# Altium PCB cheriot-test.PcbDoc (part 11 of 12)
Units mil, origin at the board's own origin, x right, y up, seen from the top; angles counter-clockwise.
Board outline 6629.92 x 3149.61 mil, 8 copper layers (Top Layer, Int1 (Sign), Int2 (GND), Int3 (Sign), Int4 (Sign), Int5 (PWR), Int6 (Sign), Bottom Layer), stack 60.424 mil thick; 496 components, 639 nets, 2898 pads, 1737 vias.
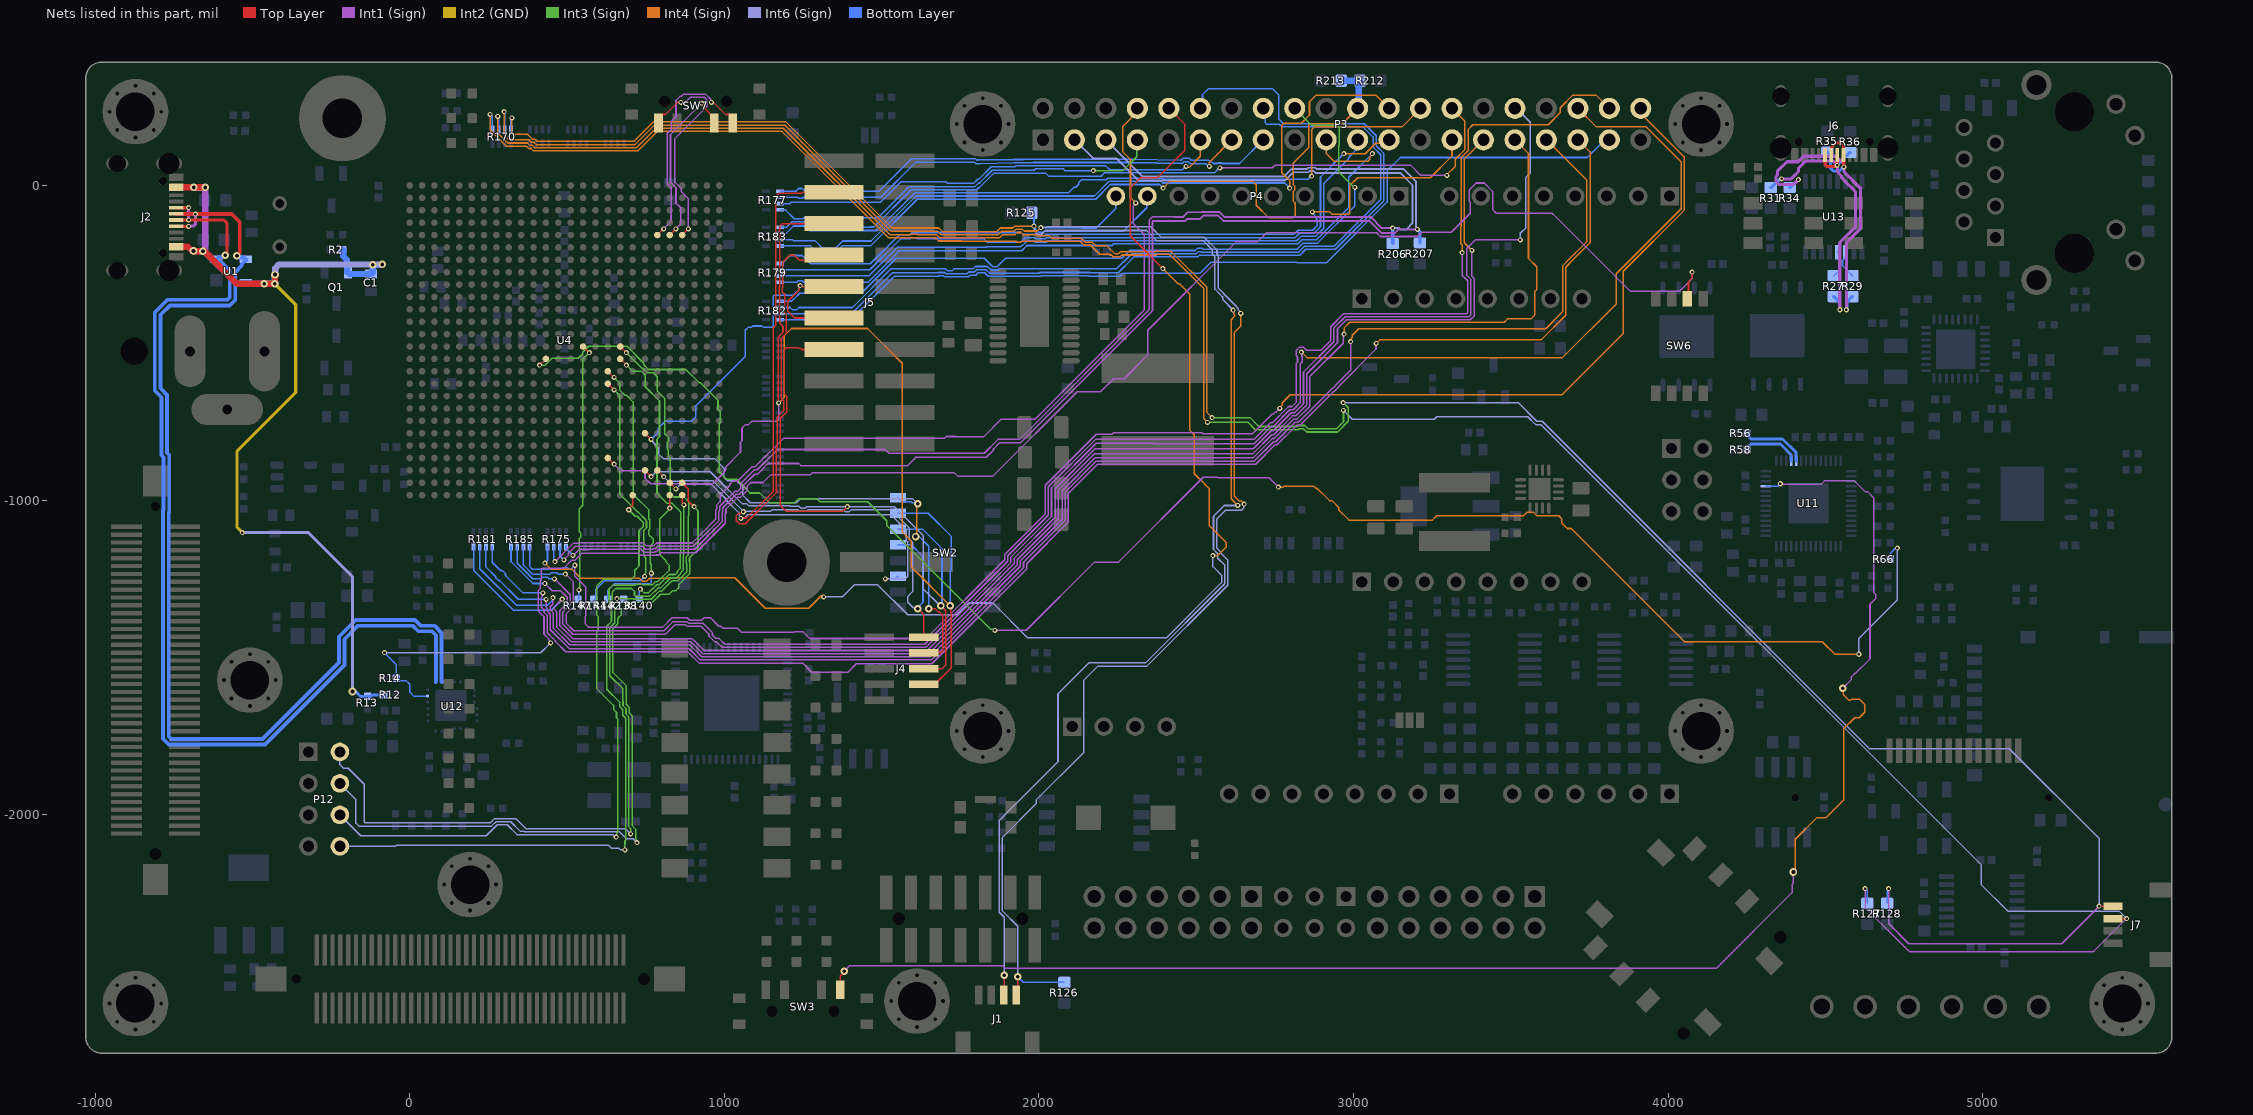
[diagram p17: the nets of this part, all layers, seen from the top]

## Via types
v1: diameter 16, hole 8, Top Layer to Bottom Layer, tented both sides, 1442 vias
v2: diameter 24, hole 12, Top Layer to Bottom Layer, tented both sides, 257 vias
v3: diameter 23.62, hole 11.81, Top Layer to Bottom Layer, tented both sides, 16 vias
v4: diameter 45, hole 20, Top Layer to Bottom Layer, 14 vias
v5: diameter 19.68, hole 8, Top Layer to Bottom Layer, 8 vias

## Nets (pads, with @x,y where several pads share a name; then routed paths per layer and width w, separated by ;. In a path a pad name is that pad's centre, name@x,y a point inside that pad or via, vN(x,y) a via of type N, cw(c..) or ccw(c..) an arc to the next point about the centre after c; other vN are vias at no path point) (continued)
RP2040_SW2: SW3.4 U11.39 | length 5034.7
  Top Layer w5: SW3.4@1368.27,-2555.63 1368.27,-2512.27 1381.05,-2499.49 v2(1381.05,-2497.48)
  Int1 (Sign) w5: v2(1381.05,-2497.48) 1398.16,-2480.37 1884.8,-2480.37 1892.92,-2488.5 4152.5,-2488.5 4393.87,-2247.13 4393.87,-2222 4398,-2217.87 4398,-2186 v2@4397,-2185 ; v1(4357,-948) 4359.06,-950.06 4485.8,-950.06 4496.94,-938.92 4591.92,-938.92 4625.93,-972.93 4633.22,-972.93 4653.28,-993 4653.28,-1293.6 4659.68,-1299.99 4659.68,-1312.83 4641.48,-1331.03 4641.48,-1504.63 4595.61,-1550.5 4593.92,-1550.5 4582.5,-1561.92 4582.5,-1570.5 v2(4555,-1598)
  Int4 (Sign) w5: v2(4398,-2182) 4401.07,-2182 4404,-2179.07 4404,-2078.1 4472.96,-2009.13 4502.4,-2009.13 4558.45,-1953.08 4558.45,-1726.12 4593.08,-1691.5 4607.22,-1691.5 4624.5,-1674.22 4624.5,-1649.78 4607.22,-1632.5 4582.78,-1632.5 4579.28,-1636 4575.14,-1636 4556.64,-1617.5 4556.64,-1599.64 v2(4555,-1598)
  Bottom Layer w5: U11.39@4310.16,-955.44 4349.56,-955.44 v1(4357,-948)
RP2040_TX: R66.1 U4.R15 | length 5682.9
  Top Layer w5: v1(413.39,-570.87) U4.R15@433.07,-551.18
  Int1 (Sign) w5: v1(1860,-1414) 1960,-1414 2177,-1197 2253,-1197 2522.71,-927.29 2567.29,-927.29 2569,-929 2731.5,-929 v1@2760.5,-958
  Int3 (Sign) w5: v1(413.39,-570.87) 430.84,-570.87 452.55,-549.15 535.76,-549.15 550.1,-534.81 550.1,-530.34 569.44,-511 690.4,-511 744,-564.6 744,-570 758.74,-584.74 877.78,-584.74 919.32,-626.28 923.79,-626.28 980.07,-682.56 980.07,-710.85 987,-717.78 987,-753.06 984,-756.06 984,-910.11 1007.18,-933.29 1039.29,-933.29 1069.79,-963.79 1069.79,-965.67 1081.58,-977.46 1113.18,-977.46 1143.66,-1007.94 1223.98,-1007.94 1236.92,-995 1294,-995 1304,-1005 1456,-1005 1516.61,-1065.61 1516.61,-1080.47 1847.14,-1411 1857.07,-1411 1860,-1413.93 v1(1860,-1414)
  Int4 (Sign) w5: v1(2761,-958.5) 2776.5,-958.5 2779,-956 2874.12,-956 2881.08,-962.96 2884.88,-962.96 2923.42,-1001.5 2931.7,-1001.5 2952.5,-1022.3 2952.5,-1030.58 2985.39,-1063.46 3250.96,-1063.46 3264.5,-1049.92 3540.08,-1049.92 3550.85,-1039.15 3571.98,-1039.15 3582.76,-1049.92 3651.84,-1049.92 3661.84,-1059.92 3661.84,-1072.93 3679.12,-1090.21 3692.13,-1090.21 4051.84,-1449.92 4490.13,-1449.92 4530.13,-1489.92 v1(4605.98,-1489.92)
  Int6 (Sign) w5: v1(4605.98,-1489.92) 4605.98,-1439.92 4728.2,-1317.71 v1(4728.2,-1152.79)
  Bottom Layer w5: R66.1@4705.67,-1187.6 4705.67,-1169.76 4720.53,-1154.89 4726.09,-1154.89 v1(4728.2,-1152.79)
RP_N: R58.2 U11.46 | length 183.9
  Bottom Layer w10: R58.2@4250.98,-839.92 4257.8,-833.11 4257.8,-827.62 4263.65,-821.76 4356.96,-821.76 4390.61,-855.41 4390.61,-874.73 U11.46@4390.87,-874.73
RP_P: R56.2 U11.47 | length 210.4
  Bottom Layer w10: R56.2@4250.67,-787.6 4257.48,-794.42 4257.48,-799.9 4263.34,-805.76 4363.59,-805.76 4406.61,-848.79 U11.47@4406.61,-874.73
RPH_G0: P3.27 R179.4B | length 2465.2
  Int4 (Sign) w5: v1(2869,-84) 2925.02,-84 2932.52,-91.5 2985.57,-91.5 2988.5,-88.57 2988.5,0.42 3013.08,25 3244,25 3312.99,93.99 P3.27@3312.99,145.2
  Bottom Layer w5: R179.4B@1177.4,-248.07 1184.29,-248.07 1191.54,-240.82 1191.54,-240.55 1209.59,-222.5 1245.42,-222.5 1245.69,-222.77 1247.77,-222.77 1274,-249 1464,-249 1556.54,-156.46 1590.48,-156.46 1597.44,-149.5 1943.42,-149.5 1949.42,-155.5 1991.44,-155.5 1995.44,-159.5 2016.56,-159.5 2020.56,-155.5 2810.89,-155.5 2824.53,-141.86 2870.43,-141.86 2885.03,-127.26 2885.03,-109.03 2877.23,-101.23 2877.23,-95.2 2869,-86.98 v1(2869,-84)
RPH_G1: P3.28 R183.4B | length 2490.2
  Int1 (Sign) w5: v1(2575,56) 2742,56 2751,65 3181,65 3214,32 3295,32 v1@3296,31
  Int4 (Sign) w5: v1@3295.73,33.27 3322.99,60.53 3322.99,83.48 3353.96,114.45 3353.96,204.23 P3.28@3312.99,245.2
  Bottom Layer w5: R183.4B@1177.4,-133.07 1197.93,-133.07 1215.5,-115.5 1262.5,-115.5 1280,-133 1286,-133 ; 1286,-133.07 1465,-133.07 ; 1465,-132 1475.7,-132 1594.2,-13.5 1800.75,-13.5 1804.86,-9.38 cw(c1808.4,-12.92) 1808.34,-7.92 1809.7,-7.92 1856,38.38 2022.31,38.38 2030.69,30 2199,30 ; 2199,31 2208,40 2557,40 2574.63,57.63 2575,57.25 v1(2575,56)
  other v1: 3297,32
RPH_G2_SDA: P3.3 R175.3B R206.1 | length 4785.9
  Int1 (Sign) w5: v1(490,-1190) 503.59,-1176.41 503.59,-1169.56 512.67,-1160.48 513.71,-1160.48 527.2,-1147 566,-1147 566.8,-1146.2 739.14,-1146.2 748.44,-1155.5 774.3,-1155.5 775.3,-1154.5 780.64,-1154.5 788.94,-1146.2 901.66,-1146.2 983,-1064.86 983,-1035.37 985.5,-1032.87 985.5,-1019.79 1033.66,-971.63 1034.74,-971.63 1034.87,-971.5 1043.21,-971.5 1052.5,-962.21 1052.5,-947.26 1096.36,-903.4 1105.11,-903.4 1169.51,-839 1511.5,-839 1523.5,-851 1826,-851 1870,-807 1938,-807 2350.5,-394.5 2350.5,-109.5 2360,-100 2432.61,-100
  Int1 (Sign) w6: 2432.61,-100 2458.37,-100 2473.37,-85 2518.15,-85 2519.15,-84 2573.68,-84 2589.68,-100 2643,-100 2643.5,-100.5 ; 2644,-100 3054.08,-100 3089.6,-135.51 v1(3124.41,-135.51)
  Int6 (Sign) w6: P3.3@2112.99,145.2 2172.19,86 2246,86 2316,16 2783,16 2809,42 2856.87,42 2860.37,45.5 2873.63,45.5 2879.13,40 3148,40 3188,0 3188,-119 3167,-140 3149.3,-140 3144.81,-135.51 3126.49,-135.51 v1@3125,-137
  Bottom Layer w6: R175.3B@477.44,-1147.13 477.44,-1177.44 v1(490,-1190)
  Bottom Layer w10: R206.1@3124.41,-184.72 v1(3124.41,-135.51)
RPH_G3_SCL: P3.5 R175.4B R207.1 | length 4674.2
  Int1 (Sign) w5: v1(519.09,-1175.98) 520.13,-1175.98 539.12,-1157 570.14,-1157 570.94,-1156.2 735,-1156.2 744.3,-1165.5 778.44,-1165.5 779.44,-1164.5 784.78,-1164.5 793.08,-1156.2 905.8,-1156.2 993,-1069 993,-1039.51 995.5,-1037.01 995.5,-1023.93 1037.93,-981.5 1047.35,-981.5 1062.5,-966.35 1062.5,-951.4 1096.45,-917.45 1105.2,-917.45 1139.15,-883.5 1236.83,-883.5 1243.58,-890.25 1582.83,-890.25 1605.04,-868.04 ; 1605,-868 1608.88,-864.12 1832.8,-864.12 1855.57,-841.36 1855.57,-837.15 1873.14,-819.57 1874.43,-819.57 1877,-817 1942,-817 ; 1942.07,-817.07 2361,-398.14 2361,-113.85 2362.42,-112.42
  Int1 (Sign) w6: 2362.42,-112.42 2464.41,-112.42 2470.79,-106.04 2512.96,-106.04 2524,-95 2569.13,-95 2587.13,-113 3051.53,-113 3090.04,-151.51 3131.04,-151.51 3143.1,-139.45 v1(3203.15,-139.45)
  Int6 (Sign) w6: P3.5@2212.99,145.2 2330.19,28 2778,28 2803,53 2852.32,53 2855.82,56.5 2878.18,56.5 2881.68,53 3158,53 3199,12 3199,-132.59 3201.24,-134.83 v1@3201.24,-135.76
  Bottom Layer w6: R175.4B@497.13,-1147.13 497.13,-1154.02 v1(519.09,-1175.98)
  Bottom Layer w10: v1(3203.15,-139.45) 3211.02,-147.32 R207.1@3211.02,-182.76
RPH_G4: P3.7 R177.1B | length 1270.3
  Int3 (Sign) w5: v1(2173,47.5) 2267.5,47.5 2311,91 P3.7@2311,130
  Bottom Layer w5: R177.1B@1177.4,-77.13 1178.04,-77.77 1194.77,-77.77 1222.5,-105.5 1250.19,-105.5 1253.19,-102.5 1488.5,-102.5 1587.5,-3.5 1796.6,-3.5 1808.09,7.99 1811.23,7.99 1851.62,48.38 1985.38,48.38 1990,53 ; 1990.03,53 2077.27,53 2082.77,47.5 v1(2173,47.5)
RPH_G5: P3.29 R181.1B | length 4673.2
  Int1 (Sign) w5: v1(485,-1315) 458.36,-1341.64 458.36,-1345.79 467,-1354.43 467,-1403 514,-1450 893.24,-1450 900.44,-1457.2 901.44,-1457.2 932.24,-1488 1649.43,-1488 1931,-1206.43 1931,-1189.43 2061.57,-1058.86 2061.57,-968 2177.57,-852 2680.43,-852 2740.17,-792.26 2746.17,-792.26 2805.91,-732.52 2816.47,-732.52 2851,-697.99 2851,-598 2949,-500 2949,-455.43 2977.43,-427 3371.3,-427 3383.01,-415.28 3383.01,-294.53 3376,-287.52 v1(3376,-206)
  Int4 (Sign) w5: v1@3379,-207 3377,-207 v1(3376,-206) 3351.75,-181.75 3351.75,83.96 P3.29@3412.99,145.2
  Bottom Layer w5: R181.1B@203.07,-1147.13 203.07,-1223.07 330,-1350 450,-1350 v1(485,-1315)
RPH_G6: P3.31 R181.2B | length 4811.2
  Int1 (Sign) w5: v1(455,-1310) 455,-1330.86 447,-1338.86 447,-1348.57 457,-1358.57 457,-1407.86 509.14,-1460 889.1,-1460 896.3,-1467.2 897.3,-1467.2 928.1,-1498 1653.57,-1498 1941,-1210.57 1941,-1193.57 2073.84,-1060.73 2073.84,-969.87 2177.71,-866 2680.57,-866 2742.32,-804.26 2748.32,-804.26 2810.06,-742.52 2820.62,-742.52 2861,-702.13 2861,-607 2967,-501 2967,-478.43 2967.9,-477.53 2967.9,-475.9 v1@2967,-475 ; v1@2967,-472.45 v1(2970,-472.45)
  Int4 (Sign) w5: v1(2970,-472.45) 2970,-453 2988,-435 3403.27,-435 3403.64,-434.64 3403.68,-434.68 3478.68,-434.68 3489.36,-424 3564,-424 3576,-412 3576,-336.92 3582.5,-330.42 3582.5,-258.5 3556,-232 3556,101.78 3512.99,144.78 P3.31@3512.99,145.2
  Bottom Layer w5: R181.2B@222.76,-1147.13 222.76,-1217.76 339.5,-1334.5 438.08,-1334.5 455,-1317.58 v1(455,-1310)
RPH_G7_SPI0_CE1: P3.26 R183.3B | length 2304.8
  Int4 (Sign) w5: v1(2867,29.5) 2867.66,30.16 2867.66,178.6 2875.22,186.16 3153.96,186.16 P3.26@3212.99,245.2
  Bottom Layer w5: R183.3B@1177.4,-152.76 1196,-152.76 1220,-128.76 1256.76,-128.76 1270,-142 ; 1270,-143.07 1485.64,-143.07 1605.22,-23.5 2093.5,-23.5 2111.5,-5.5 2117.42,-5.5 2126.5,3.58 2126.5,9.5 2135.5,18.5 2214.22,18.5 2218.81,23.09 2393.19,23.09 2396.28,20 2854.58,20 2864.08,29.5 v1(2867,29.5)
RPH_G8_SPI0_CE0: P3.24 R183.2B | length 2363.3
  Int4 (Sign) w5: v1@2796,-11 2797.7,-9.3 2797.7,14.82 2772.03,40.49 2772.03,191.02 2779.22,198.21 2834.06,198.21 2859.98,224.13 2859.98,266.16 2879.98,286.16 3072.03,286.16 P3.24@3112.99,245.2
  Bottom Layer w5: R183.2B@1177.4,-172.44 1216.23,-172.44 1218.97,-175.19 1288.06,-175.19 1312.83,-199.96 1352.96,-199.96 1376.39,-176.53 1466.33,-176.53 1609.36,-33.5 2176.36,-33.5 2222.95,13.09 2388.05,13.09 2391.14,10 2392.14,10 2394.14,8 2781,8 v1(2797,-8)
RPH_G9_SPI0_CIPO: P3.21 R179.2B | length 2109.3
  Bottom Layer w5: R179.2B@1177.4,-287.44 1459.5,-287.44 1550.44,-196.5 1832.27,-196.5 1833.65,-195.12 1940.6,-195.12 1945.22,-190.5 1947.56,-190.5 1962.56,-175.5 1983.15,-175.5 1987.15,-179.5 2024.85,-179.5 2028.85,-175.5 2819.17,-175.5 2832.82,-161.86 2878.72,-161.86 2905.03,-135.54 2905.03,6.03 2985,86 2985,90 P3.21@3007.85,112.85 ; P3.21@3007.7,113 3007.7,125.7 P3.21@3016,134
RPH_G10_SPI0_COPI: P3.19 R179.1B | length 2315.4
  Int4 (Sign) w5: P3.19@2914,131 2912.99,129.99 2912.99,102.01 2938,77 3046,77 3050.82,81.82 3050.82,89.35 3060,98.52 v1(3060,101.5)
  Bottom Layer w5: R179.1B@1177.4,-307.13 1229.95,-307.13 1234.58,-302.5 1247.42,-302.5 1252.05,-307.13 1456.79,-307.13 1549.46,-214.46 ; 1549,-214 1555.88,-207.12 1945.57,-207.12 1961.96,-190.73 2232.72,-190.73 2237.95,-185.5 2823.32,-185.5 2836.96,-171.86 2882.86,-171.86 2985,-69.72 2985,26.5 v1(3060,101.5)
RPH_G11_SPI0_SCLK: P3.23 R179.3B | length 2202.8
  Int4 (Sign) w5: v1(2969,101) 3037.58,101 3070.61,134.03 3101.03,134.03 P3.23@3104,137
  Bottom Layer w5: R179.3B@1177.4,-267.76 1462.21,-267.76 1561.51,-168.46 1592.62,-168.46 1595.58,-165.5 1608.42,-165.5 1611.38,-168.46 1823.96,-168.46 1836,-180.5 1943.42,-180.5 1958.42,-165.5 1987.3,-165.5 1991.3,-169.5 2020.7,-169.5 2024.7,-165.5 2815.03,-165.5 2828.67,-151.86 2874.57,-151.86 2895.03,-131.4 2895.03,27.03 v1(2969,101)
RPH_G12: P3.32 R185.1B | length 4749.7
  Int1 (Sign) w5: v1(430,-1265) 452.84,-1287.84 479.76,-1287.84 500.5,-1308.58 500.5,-1327.36 477,-1350.86 477,-1398.86 518.14,-1440 897.38,-1440 904.58,-1447.2 905.58,-1447.2 936.38,-1478 1645.29,-1478 1921,-1202.29 1921,-1185.29 2051.57,-1054.72 2051.57,-963.86 2178.43,-837 2681.29,-837 2738.53,-779.76 2744.53,-779.76 2801.77,-722.52 2812.33,-722.52 2841,-693.85 2841,-593 2937.27,-496.73 2937.27,-453.02 2973.28,-417 3367.15,-417 3373.01,-411.14 3373.01,-298.68 3360.5,-286.16 3360.5,-199.58 3387.08,-173 v1(3530,-173)
  Int6 (Sign) w5: P3.32@3516,255 3516,247 3562,201 3562,40.5 3547,25.5 3547,-135 3530,-152 v1(3530,-173)
  Bottom Layer w5: R185.1B@322.13,-1147.13 322.13,-1195.41 391.72,-1265 v1(430,-1265)
RPH_G13: P3.33 R181.3B | length 4876.4
  Int1 (Sign) w5: v1(433.5,-1315.79) 433.5,-1340.07 437,-1343.57 437,-1352.72 447,-1362.72 447,-1412 507,-1472 886.96,-1472 892.15,-1477.2 893.15,-1477.2 923.96,-1508 1657.72,-1508 1951,-1214.72 1951,-1197.72 2083.84,-1064.87 2083.84,-974.01 2181.85,-876 2684.72,-876 2746.46,-814.26 2752.46,-814.26 2814.2,-752.52 2824.76,-752.52 2932.77,-644.5 2934.42,-644.5 2943.5,-635.42 2943.5,-633.77 2991,-586.27 v1(2991,-496)
  Int4 (Sign) w5: v1(2991,-496) 2993.1,-493.9 2993.1,-485.41 2995.5,-483.01 2995.5,-475.77 3016.27,-455 3611,-455 3664.5,-401.5 3664.5,-255.5 3677,-243 ; P3.33@3612.99,145.2 3741.75,16.44 3741.75,-177.65 3676.7,-242.7
  Bottom Layer w5: R181.3B@242.44,-1147.13 242.44,-1212.44 273.5,-1243.5 273.5,-1246.42 282.58,-1255.5 285.5,-1255.5 345,-1315 432.71,-1315 v1(433.5,-1315.79)
RPH_G16_CE2: P3.36 R185.2B | length 5338.5
  Int1 (Sign) w5: v1(460,-1250) 510.5,-1300.5 510.5,-1331.5 487,-1355 487,-1394.72 518.28,-1426 813,-1426 843,-1396 876.37,-1396 881.87,-1401.5 926.5,-1401.5 951.5,-1426.5 951.5,-1432.22 968.78,-1449.5 974.5,-1449.5 993,-1468 1641.15,-1468 1911,-1198.15 1911,-1181.15 2039.93,-1052.22 2039.93,-961.36 2182.28,-819 2363.5,-819 2364.93,-820.43 2683.72,-820.43 2737.67,-766.47 2743.67,-766.47 2797.63,-712.52 2808.19,-712.52 2831,-689.71 2831,-566.25 2837,-560.25 2837,-544.98 2836.1,-544.08 2836.1,-531.1 v1(2834.51,-529.51)
  Int4 (Sign) w5: v1(2834.51,-529.51) 2852,-547 3664,-547 3834.72,-376.28 3834.72,-280.55 4041.75,-73.52 4041.75,74.37 3929.96,186.16 3772.03,186.16 P3.36@3712.99,245.2
  Bottom Layer w5: R185.2B@341.81,-1147.13 341.81,-1200.95 390.86,-1250 417.42,-1250 421.92,-1245.5 438.08,-1245.5 442.58,-1250 v1(460,-1250)
RPH_G17_SPI1_CE1: P3.11 R177.2B | length 1463.2
  Int4 (Sign) w5: v1(2468,60.5) 2470.1,58.4 2478.08,58.4 ; 2479,59 2512.99,92.99 P3.11@2512.99,145.2
  Bottom Layer w5: R177.2B@1177.4,-57.44 1208.75,-57.44 1212.67,-53.52 1496.48,-53.52 1562,12 1705.04,12 1710.54,6.5 1792.46,6.5 1803.95,17.99 cw(c1807.49,14.45) 1805.62,19.09 ; 1805.64,19.1 1809.88,20.78 1848.6,59.5 1924.04,59.5 1927.2,62.66 1983.66,62.66 1984,63 ; 1985.88,63 2213,63 ; 2213,62 2225,50 2456.58,50 2467.08,60.5 v1(2468,60.5)
RPH_G18_SPI1_CE0: P3.12 R182.2B | length 2999.5
  Bottom Layer w5: R182.2B@1177.4,-407.44 1404.55,-407.44 1534.99,-277 1678.94,-277 1679.44,-276.5 1700.78,-276.5 1704.78,-280.5 1771.3,-280.5 1776.8,-275 1794.8,-275 1802.3,-267.5 1831.7,-267.5 1842.7,-278.5 2000.7,-278.5 2002.7,-276.5 2160.7,-276.5 2161.2,-277 2251.94,-277 2293.97,-234.97 2302.44,-226.5 2504.58,-226.5 2508.93,-222.15 2829.09,-222.15 2848.19,-203.05 2942.12,-203.05 3096.5,-48.67 3096.5,102 3072.03,126.47 3072.03,158.24 3034.1,196.16 2776.84,196.16 2762,211 2762,288 2743,307 2538,307 2520,289 2520,259 P3.12@2516,255
RPH_G19_SPI1_CIPO: P3.35 R181.4B | length 4833.4
  Int1 (Sign) w5: v1(423.5,-1295) 421.4,-1297.1 421.4,-1305.98 418,-1309.37 418,-1338.72 427,-1347.72 427,-1356.86 437,-1366.86 437,-1421.8 453.7,-1438.5 454.42,-1438.5 463.5,-1447.58 463.5,-1449.5 496,-1482 882.81,-1482 888.01,-1487.2 889.01,-1487.2 919.81,-1518 1249.2,-1518 1278.2,-1547 1392.92,-1547 1419.42,-1520.5 1659.36,-1520.5 1961,-1218.86 1961,-1201.86 2093.84,-1069.01 2093.84,-978.15 2185.99,-886 2688.86,-886 2750.6,-824.26 2756.6,-824.26 2818.34,-762.52 2828.9,-762.52 2936.92,-654.5 2938.56,-654.5 2953.5,-639.56 2953.5,-637.92 3071.5,-519.92 v1(3071.5,-501.5)
  Int4 (Sign) w5: v1(3071.5,-501.5) 3073.33,-501.5 3085.14,-489.68 3597.32,-489.68 3674.5,-412.5 3674.5,-259.64 3687,-247.14 3687,-246.54 3751.75,-181.79 3751.75,106.44 P3.35@3712.99,145.2
  Bottom Layer w5: R181.4B@262.13,-1147.13 262.13,-1197.13 289.5,-1224.5 295.42,-1224.5 304.5,-1233.58 304.5,-1239.5 360,-1295 v1(423.5,-1295)
RPH_G20_SPI1_COPI: P3.38 R185.3B | length 5059.8
  Int1 (Sign) w5: v1(495,-1235) 520.5,-1260.5 520.5,-1338.5 497,-1362 497,-1390.57 521.43,-1415 808,-1415 837,-1386 880.51,-1386 886.01,-1391.5 931.99,-1391.5 961.5,-1421.01 961.5,-1428.08 972.92,-1439.5 983.5,-1439.5 1002,-1458 1637.01,-1458 1901,-1194.01 1901,-1177.01 2029.93,-1048.08 2029.93,-957.21 2180.14,-807 2683.01,-807 2735.25,-754.76 2741.25,-754.76 2793.49,-702.52 2804.05,-702.52 2818.5,-688.06 2818.5,-564.61 2821.98,-561.13 2821.98,-544.98 2818.5,-541.5 2818.5,-523.6 2828.6,-513.5 2840.42,-513.5 2850.5,-523.58 2896.28,-523.58 2927.27,-492.59 2927.27,-448.88 2969.14,-407 3360.08,-407 3363.01,-404.07 3363.01,-303.01 3345,-285 v1(3345,-213)
  Int4 (Sign) w5: 3341,-131 3341,-185.14 3345,-189.14 v1(3345,-213) ; 3341.75,-131 3341.75,88.1 3363.96,110.3 3363.96,177.96 3378.87,192.87 3618.6,192.87 3657.38,231.65 3657.38,247.52 3696.02,286.16 3772.03,286.16 P3.38@3812.99,245.2
  Bottom Layer w5: R185.3B@361.5,-1147.13 361.5,-1206.5 390,-1235 447.42,-1235 451.92,-1230.5 468.08,-1230.5 472.58,-1235 v1(495,-1235)
RPH_G21_SPI1_SCLK: P3.40 R185.4B | length 5097.2
  Int1 (Sign) w5: v1(525,-1206.98) 525,-1241 559,-1275 559,-1367.94 558.5,-1368.44 558.5,-1393.5 569.5,-1404.5 803.5,-1404.5 834,-1374 882.65,-1374 890.15,-1381.5 927.85,-1381.5 935.35,-1374 956,-1374 982.5,-1400.5 989.08,-1400.5 995.58,-1407 1041.86,-1407 1054.86,-1420 1221.72,-1420 1222.72,-1419 1250.12,-1419 1271,-1439.88 1640.98,-1439.88 1891,-1189.86 1891,-1172.86 2019.93,-1043.93 2019.93,-953.07 2182,-791 2232.28,-791 2237.46,-785.82 2518.62,-785.82 2521.3,-788.5 2679.59,-788.5 2740.77,-727.31 2744.31,-727.31 2751.54,-720.08 2754,-720.08 v1(2765.5,-708.59)
  Int4 (Sign) w5: v1(2765.5,-708.59) 2765.5,-705.61 2773.16,-697.95 2773.16,-690.79 2798.53,-665.42 3662.4,-665.42 3857.08,-470.75 3857.08,-272.34 4051.75,-77.66 4051.75,90.02 3912.99,228.78 P3.40@3912.99,245.2
  Bottom Layer w5: R185.4B@381.18,-1147.13 381.18,-1211.18 389.5,-1219.5 482.92,-1219.5 486.92,-1215.5 503.08,-1215.5 506.72,-1219.14 512.84,-1219.14 v1(525,-1206.98)
RPH_G22: P3.15 R177.4B | length 1626.7
  Bottom Layer w5: R177.4B@1177.4,-18.07 1227.01,-18.07 1235.58,-9.5 1248.42,-9.5 1256.99,-18.07 1493,-18.07 ; 1493,-17 1594.5,84.5 1799.6,84.5 1803.14,80.96 1807.28,80.96 1917.04,82.28 ; 1917.08,82.28 ccw(c1916.98,87.28) 1918.91,82.66 1949.41,82.66 1949.47,82.66 1977.6,83 2299.43,83 2450.1,80.81 ccw(c2450.18,85.81) 2453.71,82.28 2457.44,86 2478.56,86 2482.81,81.75 ; 2482.84,81.72 ccw(c2486.35,85.29) 2486.27,80.29 2540.42,79.5 2543.92,76 2548.42,76 2554.42,70 2567.08,70 2568.58,71.5 2581.42,71.5 2582.92,70 2637.8,70 P3.15@2712.99,145.2
RPH_G23: P3.16 R182.3B | length 2683.2
  Bottom Layer w5: R182.3B@1177.4,-387.76 1208.84,-387.76 1216.58,-395.5 1229.42,-395.5 1237.16,-387.76 1407.27,-387.76 1530.02,-265 1703.42,-265 1708.92,-270.5 1725.08,-270.5 1730.58,-265 1790.65,-265 1798.15,-257.5 1835.85,-257.5 1843.35,-265 1845.94,-265 1849.44,-268.5 1870.56,-268.5 1874.06,-265 2246.97,-265 2285.49,-226.49 2289,-222.97 2295.47,-216.5 2500.44,-216.5 2506.86,-210.08 2515.14,-210.08 2517.21,-212.15 2824.95,-212.15 2844.05,-193.05 2937.98,-193.05 3086.5,-44.53 3086.5,97.86 3062.03,122.33 3062.03,154.09 3029.96,186.16 2772.7,186.16 2763.86,195 2724,195 2720,199 2720,227 P3.16@2711,236
RPH_G24: P3.18 R182.4B | length 2414.9
  Int3 (Sign) w5: P3.18@2812.99,245.2 2867.19,191 2949,191 2953.96,186.04 2953.96,128.23 2953.5,127.77 2953.5,42.5 3002,-6 v1(3004,-6)
  Bottom Layer w5: R182.4B@1177.4,-368.07 1213.01,-368.07 1220.5,-360.58 1221.56,-360.58 1239.64,-342.5 1435.55,-342.5 1546.55,-231.5 1826.58,-231.5 1853.58,-258.5 1866.42,-258.5 1893.42,-231.5 2263.5,-231.5 2277,-218 2280.51,-214.49 2284.03,-210.97 2288.5,-206.5 2496.3,-206.5 2502.72,-200.08 2519.28,-200.08 2521.36,-202.15 2820.81,-202.15 2839.91,-183.05 2885.81,-183.05 3004,-64.86 v1(3004,-6)
RPH_G25: P3.22 R183.1B R212.1 R213.2 | length 2476.4
  Int4 (Sign) w5: v1(2395,-8) 2417,14 2679,14 2691,2 2691,-63 2730,-102 2808,-102 2814.5,-95.5 2814.5,-56.08 2807.7,-49.27 2807.7,-19.22 2812.5,-14.42 2812.5,-1.58 2807.7,3.22 2807.7,71.04 2857.66,121 2857.66,193.23 2860.59,196.16 2963.96,196.16 P3.22@3012.99,245.2
  Bottom Layer w5: R183.1B@1177.4,-192.13 1274.08,-192.13 1291.91,-209.96 1357.1,-209.96 1374.94,-192.13 1464.71,-192.13 ; 1466,-191 1613.5,-43.5 2180.5,-43.5 2227.09,3.09 2383.91,3.09 v1(2395,-8)
  Bottom Layer w20: R213.2@2961.02,332.99 R212.1@3020.08,332.99 3016.54,329.45 3016.54,248.74 P3.22@3012.99,245.2
RPH_G26: P3.37 R182.1B | length 2944.6
  Bottom Layer w5: R182.1B@1177.4,-427.13 1401.84,-427.13 1539.97,-289 1681.08,-289 1683.58,-286.5 1696.64,-286.5 1700.64,-290.5 1775.44,-290.5 1780.94,-285 1798.94,-285 1806.44,-277.5 1827.56,-277.5 1838.56,-288.5 2004.85,-288.5 2006.85,-286.5 2156.56,-286.5 2159.06,-289 2256.91,-289 2266.41,-279.5 2511.5,-279.5 2547.5,-243.5 2818.72,-243.5 2820.7,-245.48 2913.83,-245.48 3106.5,-52.81 3106.5,46.5 3149,89 3743,89 3785.87,131.87 P3.37@3816.13,131.87
RPH_G27: P3.13 R177.3B | length 1539.9
  Int4 (Sign) w5: v1(2542,60.5) 2542,74.2 P3.13@2612.99,145.2
  Bottom Layer w5: R177.3B@1177.4,-37.76 1232.84,-37.76 1235.58,-40.5 1248.42,-40.5 1251.16,-37.76 1497.24,-37.76 1609.5,74.5 1795.46,74.5 1800.46,69.5 1812.89,69.5 1920.24,71.73 ; 1920.28,71.73 ccw(c1920.14,76.72) 1923.06,72.66 1965.45,72.66 ccw(c1965.45,77.66) 1965.56,72.66 1981.74,73 2295.28,73 2453.32,69.91 ccw(c2453.42,74.91) 2456.96,71.38 2461.58,76 2474.42,76 2478.7,71.72 2480.13,70.29 2480.92,69.5 2530.02,69.5 2540,59.52 v1@2540,59 ; v1@2540.25,58.75 v1(2542,60.5)